# KiCad board scanhead_pcb.kicad_pcb (continued)
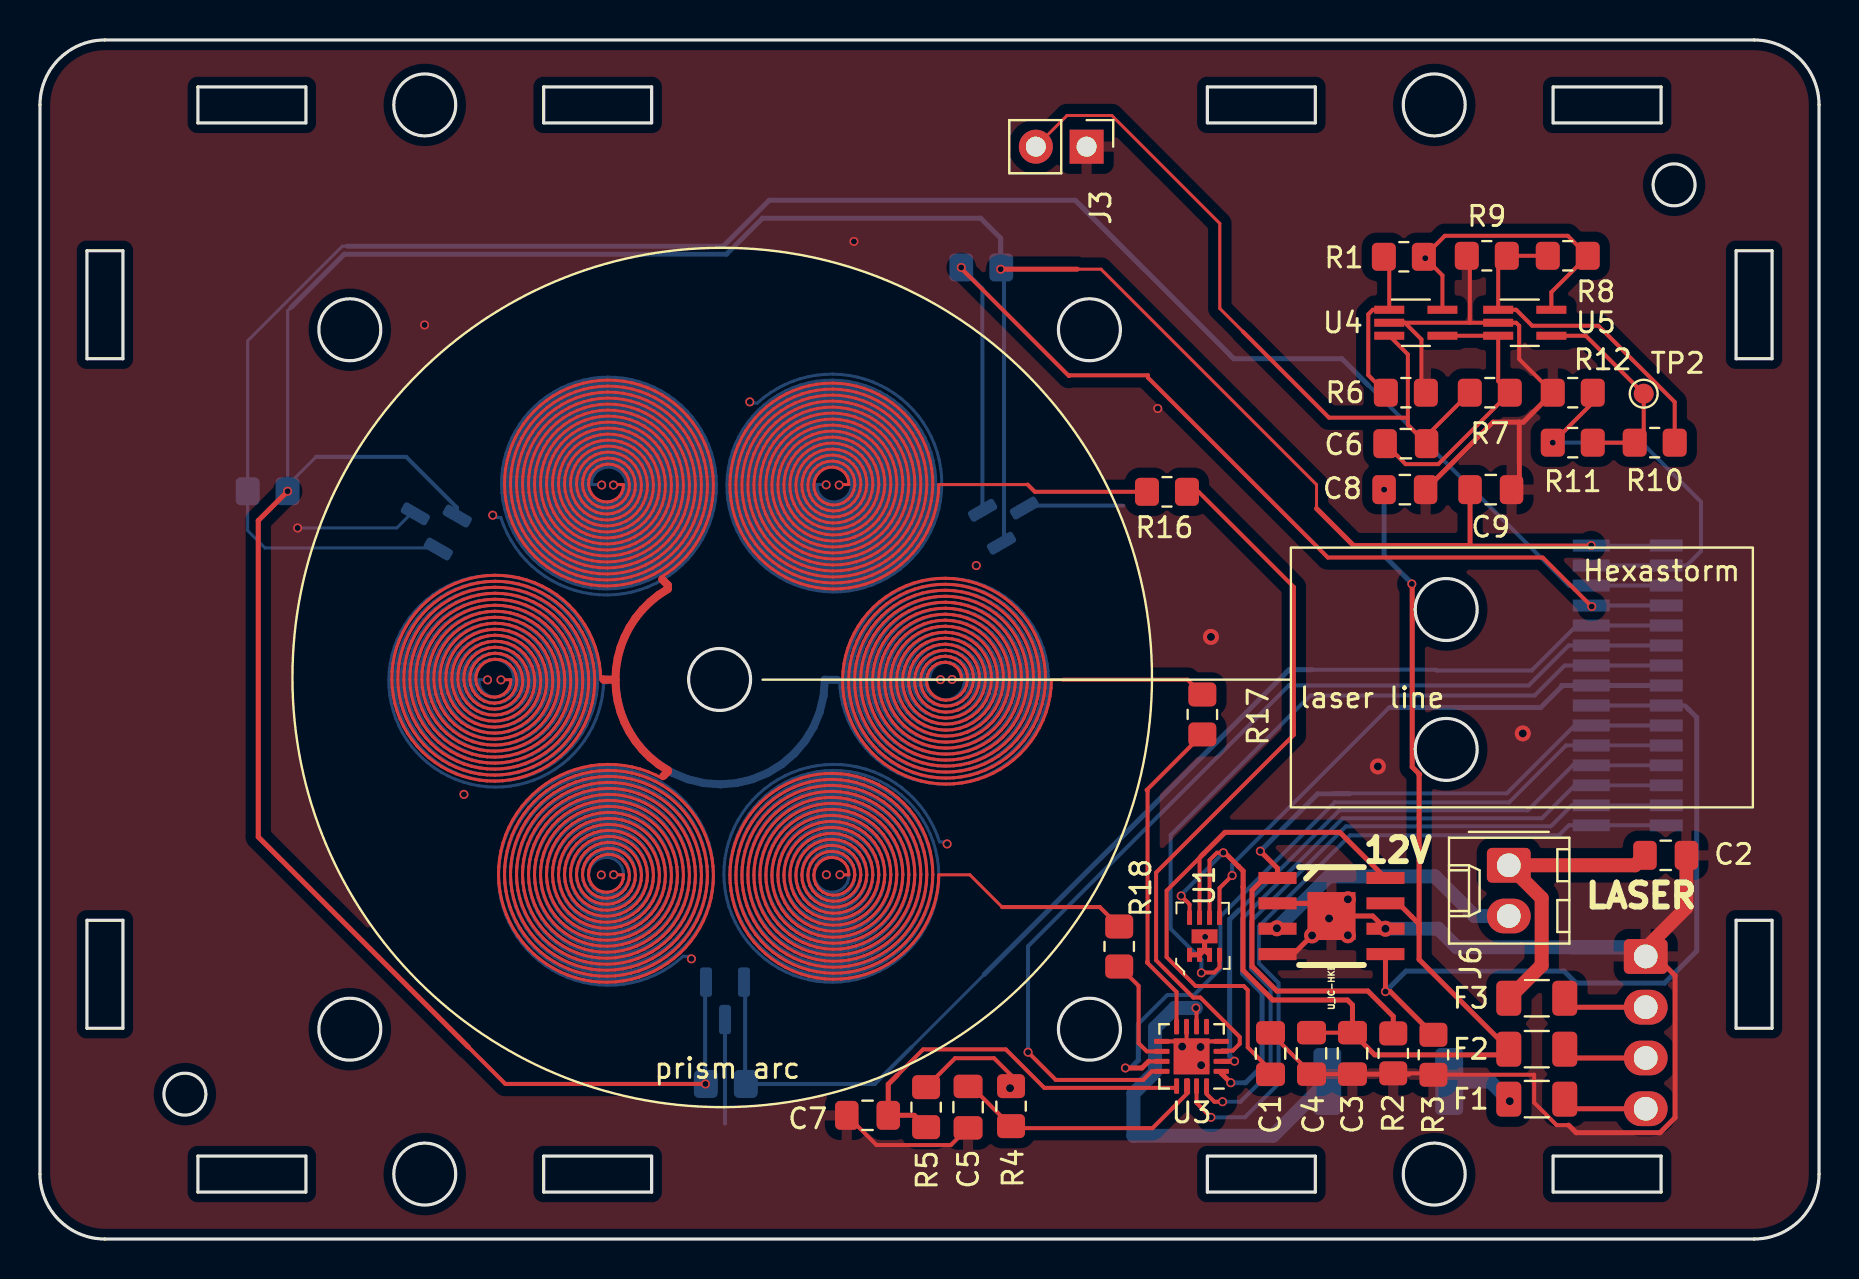
[diagram p0: board, top side]
## Routing (per net, layer and track width the routed paths; a pad name or vN(x,y) marks a point on that pad's centre or on a via; arc(x,y) is an arc through that point) (continued)
28.12,36.75 28.39,36.73 28.65,36.78 28.89,36.89 29.09,37.06 29.23,37.27 29.32,37.5 29.34,37.75 29.3,38 29.19,38.22 29.03,38.4 28.84,38.53 28.62,38.61 28.39,38.63 28.17,38.59 27.96,38.49 27.8,38.35 27.68,38.17 27.6,37.96 27.59,37.75 28.04,37.75 ; 28.2,27.99 28.18,27.58 28.13,27.18 28.05,26.78 27.95,26.39 27.81,26 27.64,25.63 27.45,25.28 27.23,24.94 26.99,24.61 26.72,24.31 26.43,24.02 26.12,23.76 25.8,23.52 25.45,23.31 25.09,23.13 24.72,22.97 24.34,22.84 23.95,22.74 23.55,22.67 23.15,22.63 22.75,22.61 22.35,22.63 21.95,22.68 21.56,22.76 21.17,22.87 20.79,23 20.43,23.17 20.08,23.36 19.74,23.57 19.42,23.81 19.12,24.08 18.84,24.36 18.58,24.66 18.35,24.99 18.14,25.33 17.96,25.68 17.8,26.05 17.67,26.42 17.57,26.81 17.5,27.2 17.46,27.59 17.45,27.99 17.47,28.4 17.52,28.82 17.61,29.22 17.73,29.62 17.87,30.01 18.05,30.39 18.26,30.74 18.49,31.09 18.75,31.41 19.03,31.71 19.34,31.99 19.66,32.24 20.01,32.47 20.37,32.66 20.75,32.83 21.13,32.97 21.53,33.08 21.93,33.16 22.34,33.2 22.75,33.21 23.16,33.19 23.57,33.14 23.97,33.06 24.36,32.94 24.74,32.8 25.11,32.62 25.47,32.42 25.81,32.19 26.12,31.94 26.42,31.66 26.69,31.36 26.94,31.03 27.17,30.69 27.36,30.34 27.53,29.97 27.66,29.59 27.77,29.19 27.85,28.8 27.89,28.39 27.9,27.99 27.88,27.59 27.83,27.18 27.75,26.79 27.64,26.4 27.49,26.03 27.32,25.66 27.12,25.31 26.89,24.98 26.64,24.67 26.37,24.37 26.07,24.1 25.75,23.86 25.42,23.64 25.07,23.45 24.7,23.28 24.32,23.15 23.94,23.04 23.55,22.97 23.15,22.93 22.75,22.91 22.35,22.93 21.96,22.98 21.57,23.07 21.19,23.18 20.82,23.32 20.46,23.49 20.11,23.68 19.79,23.91 19.48,24.16 19.19,24.43 18.92,24.72 18.68,25.03 18.47,25.36 18.28,25.71 18.12,26.07 17.98,26.44 17.88,26.82 17.81,27.21 17.76,27.6 17.75,27.99 17.77,28.4 17.83,28.81 17.92,29.21 18.04,29.61 18.19,29.99 18.38,30.36 18.59,30.71 18.83,31.04 19.1,31.35 19.39,31.64 19.71,31.9 20.04,32.14 20.4,32.34 20.77,32.52 21.15,32.66 21.54,32.78 21.94,32.85 22.34,32.9 22.75,32.91 23.16,32.89 23.56,32.84 23.96,32.75 24.35,32.63 24.72,32.48 25.08,32.3 25.43,32.09 25.76,31.85 26.06,31.59 26.35,31.3 26.6,30.99 26.84,30.66 27.04,30.31 27.21,29.95 27.35,29.57 27.47,29.18 27.54,28.79 27.59,28.39 27.6,27.99 27.58,27.59 27.53,27.19 27.44,26.8 27.32,26.42 27.18,26.05 27,25.69 26.79,25.35 26.55,25.03 26.29,24.73 26.01,24.45 25.7,24.2 25.38,23.97 25.04,23.77 24.68,23.6 24.31,23.46 23.93,23.35 23.54,23.27 23.15,23.23 22.75,23.21 22.36,23.23 21.97,23.29 21.58,23.37 21.21,23.49 20.84,23.63 20.49,23.81 20.16,24.01 19.84,24.25 19.54,24.5 19.27,24.78 19.02,25.08 18.79,25.4 18.6,25.74 18.43,26.09 18.29,26.46 18.18,26.83 18.11,27.21 18.06,27.6 18.05,27.99 18.07,28.4 18.13,28.8 18.22,29.2 18.35,29.59 18.51,29.97 18.7,30.33 18.93,30.67 19.18,30.99 19.46,31.29 19.76,31.56 20.08,31.8 20.43,32.02 20.79,32.2 21.16,32.35 21.55,32.47 21.95,32.55 22.35,32.6 22.75,32.61 23.15,32.59 23.55,32.54 23.95,32.44 24.33,32.32 24.7,32.16 25.05,31.97 25.39,31.75 25.7,31.51 26,31.23 26.26,30.94 26.5,30.62 26.71,30.28 26.89,29.92 27.04,29.55 27.16,29.17 27.24,28.78 27.29,28.39 27.3,27.99 27.28,27.59 27.22,27.2 27.13,26.81 27.01,26.44 26.86,26.08 26.67,25.73 26.46,25.4 26.21,25.09 25.94,24.8 25.65,24.54 25.34,24.3 25,24.09 24.65,23.91 24.29,23.77 23.91,23.65 23.53,23.57 23.14,23.53 22.75,23.51 22.36,23.54 21.98,23.59 21.6,23.68 21.23,23.8 20.87,23.95 20.53,24.14 20.2,24.35 19.9,24.59 19.61,24.85 19.36,25.14 19.12,25.45 18.92,25.78 18.75,26.12 18.6,26.48 18.49,26.85 18.41,27.22 18.36,27.61 18.35,27.99 18.38,28.39 18.44,28.8 18.53,29.19 18.67,29.57 18.83,29.94 19.03,30.29 19.27,30.62 19.53,30.93 19.81,31.21 20.13,31.47 20.46,31.69 20.81,31.88 21.18,32.04 21.56,32.16 21.96,32.25 22.35,32.3 22.75,32.31 23.15,32.29 23.55,32.23 23.93,32.14 24.31,32.01 24.67,31.84 25.01,31.64 25.34,31.42 25.64,31.16 25.92,30.88 26.17,30.57 26.39,30.24 26.58,29.89 26.73,29.53 26.85,29.16 26.94,28.77 26.99,28.38 27,27.99 26.98,27.6 26.92,27.21 26.83,26.83 26.7,26.46 26.54,26.1 26.34,25.77 26.12,25.45 25.87,25.15 25.59,24.88 25.29,24.63 24.96,24.42 24.62,24.23 24.27,24.08 23.9,23.96 23.52,23.88 23.14,23.83 22.75,23.81 22.37,23.84 21.99,23.89 21.61,23.99 21.25,24.11 20.9,24.27 20.57,24.46 20.25,24.68 19.96,24.93 19.7,25.2 19.46,25.5 19.24,25.82 19.06,26.15 18.91,26.5 18.8,26.86 18.71,27.23 18.67,27.61 18.65,27.99 18.68,28.39 18.74,28.79 18.84,29.18 18.98,29.55 19.16,29.91 19.37,30.25 19.61,30.57 19.88,30.86 20.18,31.13 20.5,31.36 20.84,31.56 21.2,31.73 21.58,31.85 21.96,31.95 22.36,32 22.75,32.01 23.15,31.99 23.54,31.93 23.92,31.83 24.29,31.69 24.64,31.52 24.97,31.31 25.28,31.08 25.57,30.81 25.83,30.52 26.06,30.2 26.26,29.86 26.42,29.51 26.55,29.14 26.64,28.76 26.69,28.38 26.7,27.99 26.68,27.6 26.62,27.22 26.52,26.85 26.38,26.48 26.21,26.14 26.01,25.81 25.78,25.5 25.52,25.22 25.23,24.97 24.92,24.74 24.59,24.55 24.24,24.39 23.88,24.27 23.51,24.18 23.13,24.13 22.75,24.11 22.37,24.14 22,24.2 21.63,24.29 21.28,24.43 20.94,24.59 20.61,24.79 20.31,25.02 20.04,25.28 19.79,25.56 19.57,25.86 19.38,26.19 19.22,26.53 19.1,26.88 19.02,27.25 18.97,27.62 18.95,27.99 18.98,28.39 19.04,28.78 19.15,29.16 19.3,29.53 19.48,29.88 19.7,30.21 19.95,30.51 20.24,30.78 20.54,31.03 20.88,31.24 21.23,31.41 21.6,31.55 21.98,31.64 22.36,31.7 22.75,31.71 23.14,31.69 23.52,31.62 23.9,31.52 24.26,31.37 24.6,31.19 24.92,30.98 25.22,30.73 25.49,30.46 25.73,30.15 25.93,29.83 26.1,29.48 26.24,29.12 26.33,28.75 26.39,28.37 26.4,27.99 26.38,27.61 26.31,27.23 26.21,26.87 26.07,26.51 25.89,26.18 25.68,25.86 25.44,25.57 25.17,25.31 24.87,25.07 24.55,24.87 24.21,24.71 23.86,24.58 23.5,24.48 23.13,24.43 22.75,24.41 22.38,24.44 22.01,24.5 21.65,24.6 21.31,24.74 20.98,24.91 20.67,25.12 20.38,25.36 20.12,25.62 19.9,25.91 19.7,26.23 19.54,26.56 19.41,26.9 19.32,27.26 19.27,27.62 19.25,27.99 19.28,28.38 19.35,28.77 19.46,29.14 19.62,29.5 19.81,29.84 20.04,30.15 20.3,30.44 20.6,30.69 20.92,30.91 21.26,31.09 21.62,31.24 21.99,31.34 22.37,31.4 22.75,31.41 23.13,31.39 23.51,31.32 23.88,31.21 24.23,31.06 24.56,30.87 24.87,30.64 25.15,30.38 25.4,30.1 25.61,29.79 25.79,29.45 25.93,29.1 26.03,28.74 26.09,28.37 26.1,27.99 26.08,27.61 26.01,27.25 25.9,26.89 25.75,26.55 25.57,26.22 25.35,25.92 25.09,25.65 24.81,25.4 24.51,25.19 24.18,25.02 23.84,24.88 23.48,24.79 23.12,24.73 22.75,24.71 22.39,24.74 22.03,24.81 21.68,24.91 21.34,25.06 21.02,25.24 20.73,25.45 20.46,25.7 20.22,25.97 20.02,26.27 19.85,26.59 19.72,26.93 19.62,27.27 19.57,27.63 19.55,27.99 19.58,28.37 19.66,28.75 19.78,29.12 19.94,29.47 20.14,29.79 20.38,30.09 20.66,30.35 20.96,30.58 21.29,30.78 21.64,30.93 22,31.03 22.37,31.1 22.75,31.11 23.13,31.09 23.5,31.01 23.85,30.9 24.19,30.74 24.51,30.54 24.8,30.3 25.06,30.03 25.29,29.74 25.47,29.42 25.62,29.08 25.72,28.72 25.79,28.36 25.8,27.99 25.77,27.62 25.7,27.26 25.59,26.91 25.43,26.58 25.24,26.27 25.01,25.99 24.75,25.74 24.46,25.52 24.15,25.33 23.81,25.19 23.47,25.09 23.11,25.03 22.75,25.01 22.39,25.04 22.04,25.11 21.7,25.22 21.38,25.38 21.08,25.56 20.8,25.79 20.56,26.04 20.34,26.33 20.16,26.63 20.02,26.95 19.93,27.29 19.87,27.64 19.85,27.99 19.88,28.37 19.96,28.74 20.09,29.09 20.26,29.43 20.48,29.74 20.73,30.01 21.01,30.26 21.33,30.46 21.66,30.62 22.02,30.73 22.38,30.8 22.75,30.81 23.12,30.78 23.48,30.71 23.83,30.58 24.15,30.41 24.45,30.21 24.72,29.96 24.96,29.68 25.16,29.38 25.31,29.05 25.42,28.7 25.48,28.35 25.5,27.99 25.47,27.63 25.4,27.28 25.28,26.94 25.11,26.63 24.91,26.33 24.67,26.07 24.4,25.84 24.1,25.65 23.78,25.5 23.45,25.39 23.1,25.33 22.75,25.31 22.4,25.34 22.06,25.42 21.74,25.54 21.43,25.69 21.14,25.89 20.89,26.12 20.66,26.39 20.48,26.68 20.33,26.99 20.23,27.31 20.17,27.65 20.15,27.99 20.19,28.36 20.27,28.72 20.41,29.06 20.59,29.38 20.81,29.67 21.08,29.92 21.37,30.14 21.69,30.3 22.04,30.43 22.39,30.5 22.75,30.51 23.11,30.48 23.46,30.4 23.79,30.27 24.1,30.09 24.38,29.87 24.63,29.62 24.84,29.33 25,29.02 25.12,28.68 25.18,28.34 25.2,27.99 25.17,27.64 25.09,27.3 24.96,26.98 24.79,26.68 24.58,26.41 24.33,26.17 24.05,25.97 23.75,25.81 23.42,25.7 23.09,25.63 22.75,25.61 22.41,25.65 22.09,25.72 21.77,25.85 21.48,26.01 21.22,26.22 20.99,26.46 20.79,26.73 20.64,27.03 20.53,27.34 20.47,27.66 20.45,27.99 20.49,28.35 20.58,28.7 20.72,29.02 20.92,29.32 21.15,29.59 21.43,29.81 21.73,29.99 22.06,30.12 22.4,30.19 22.75,30.21 23.1,30.18 23.43,30.09 23.75,29.95 24.04,29.77 24.3,29.54 24.52,29.27 24.69,28.98 24.81,28.66 24.88,28.33 24.9,27.99 24.87,27.65 24.78,27.33 24.65,27.02 24.47,26.74 24.25,26.5 23.99,26.29 23.7,26.12 23.4,26 23.08,25.93 22.75,25.91 22.43,25.95 22.12,26.03 21.82,26.16 21.55,26.33 21.31,26.55 21.11,26.8 20.95,27.07 20.84,27.37 20.77,27.68 20.75,27.99 20.79,28.34 20.89,28.67 21.04,28.98 21.25,29.25 21.49,29.49 21.78,29.68 22.09,29.81 22.42,29.89 22.75,29.91 23.08,29.88 23.4,29.78 23.7,29.63 23.97,29.44 24.19,29.2 24.38,28.93 24.51,28.63 24.58,28.31 24.6,27.99 24.57,27.67 24.47,27.36 24.33,27.08 24.14,26.82 23.91,26.6 23.65,26.43 23.36,26.31 23.06,26.23 22.75,26.21 22.45,26.25 22.15,26.34 21.88,26.47 21.63,26.66 21.42,26.88 21.26,27.13 21.14,27.4 21.07,27.69 21.05,27.99 21.09,28.32 21.2,28.63 21.36,28.92 21.58,29.16 21.83,29.36 22.12,29.51 22.43,29.59 22.75,29.61 23.07,29.57 23.37,29.47 23.64,29.32 23.87,29.11 24.06,28.87 24.2,28.59 24.28,28.29 24.3,27.99 24.26,27.69 24.17,27.4 24.02,27.14 23.82,26.92 23.59,26.74 23.32,26.61 23.04,26.53 22.75,26.51 22.47,26.55 22.19,26.64 21.95,26.79 21.74,26.97 21.56,27.2 21.44,27.45 21.37,27.71 21.35,27.99 21.4,28.3 21.51,28.59 21.68,28.84 21.91,29.05 22.17,29.2 22.45,29.29 22.75,29.31 23.04,29.27 23.32,29.16 23.56,29 23.75,28.79 23.9,28.54 23.98,28.27 24,27.99 23.96,27.71 23.86,27.46 23.7,27.23 23.5,27.05 23.27,26.91 23.02,26.83 22.75,26.81 22.49,26.85 22.25,26.95 22.04,27.1 21.87,27.28 21.74,27.5 21.67,27.74 21.65,27.99 21.7,28.27 21.82,28.53 22,28.74 22.23,28.9 22.48,28.99 22.75,29.01 23.01,28.97 23.25,28.86 23.45,28.69 23.6,28.48 23.68,28.24 23.7,27.99 23.66,27.75 23.55,27.53 23.4,27.34 23.2,27.21 22.98,27.13 22.75,27.11 22.53,27.16 22.33,27.25 22.16,27.4 22.04,27.58 21.97,27.78 21.95,27.99 22.4,27.99 ; 44.95,27.99 44.5,27.99 44.52,28.2 44.59,28.4 44.71,28.58 44.88,28.73 45.08,28.82 45.3,28.86 45.53,28.85 45.75,28.77 45.95,28.63 46.1,28.45 46.21,28.23 46.25,27.99 46.23,27.74 46.15,27.5 46,27.29 45.8,27.12 45.56,27.01 45.3,26.96 45.03,26.99 44.78,27.08 44.55,27.24 44.37,27.45 44.25,27.71 44.2,27.99 44.22,28.24 44.29,28.48 44.42,28.7 44.59,28.88 44.8,29.03 45.04,29.12 45.3,29.16 45.57,29.15 45.82,29.07 46.05,28.93 46.25,28.75 46.41,28.52 46.51,28.27 46.55,27.99 46.53,27.71 46.45,27.44 46.3,27.19 46.11,26.98 45.87,26.81 45.59,26.71 45.3,26.66 45,26.69 44.72,26.78 44.46,26.93 44.23,27.14 44.06,27.39 43.95,27.68 43.9,27.99 43.92,28.26 43.99,28.53 44.11,28.78 44.29,29.01 44.5,29.19 44.74,29.33 45.02,29.43 45.3,29.46 45.59,29.45 45.87,29.37 46.14,29.24 46.37,29.06 46.57,28.83 46.72,28.58 46.81,28.29 46.85,27.99 46.83,27.69 46.75,27.39 46.61,27.11 46.42,26.87 46.19,26.66 45.92,26.51 45.62,26.4 45.3,26.36 44.98,26.39 44.67,26.47 44.38,26.61 44.13,26.81 43.91,27.06 43.75,27.35 43.64,27.66 43.6,27.99 43.62,28.29 43.69,28.58 43.81,28.85 43.97,29.1 44.18,29.32 44.43,29.5 44.7,29.64 45,29.73 45.3,29.76 45.61,29.75 45.91,29.67 46.2,29.55 46.46,29.37 46.69,29.16 46.88,28.9 47.02,28.62 47.12,28.31 47.15,27.99 47.13,27.67 47.06,27.35 46.93,27.05 46.74,26.78 46.52,26.54 46.25,26.34 45.95,26.2 45.63,26.1 45.3,26.06 44.97,26.09 44.64,26.16 44.33,26.3 44.04,26.49 43.8,26.73 43.59,27 43.44,27.31 43.34,27.64 43.3,27.99 43.32,28.3 43.39,28.61 43.5,28.91 43.66,29.18 43.86,29.43 44.1,29.64 44.37,29.82 44.67,29.95 44.98,30.03 45.3,30.06 45.63,30.05 45.95,29.98 46.25,29.86 46.54,29.69 46.8,29.48 47.02,29.24 47.2,28.96 47.33,28.65 47.42,28.32 47.45,27.99 47.43,27.65 47.36,27.32 47.24,27 47.07,26.71 46.85,26.44 46.59,26.21 46.3,26.03 45.98,25.89 45.65,25.8 45.3,25.76 44.95,25.78 44.61,25.86 44.28,25.99 43.98,26.16 43.7,26.39 43.47,26.66 43.27,26.96 43.13,27.28 43.04,27.63 43,27.99 43.02,28.32 43.08,28.64 43.19,28.95 43.34,29.25 43.54,29.52 43.77,29.76 44.03,29.96 44.32,30.13 44.64,30.26 44.96,30.33 45.3,30.36 45.64,30.35 45.97,30.28 46.3,30.17 46.6,30.01 46.88,29.81 47.13,29.57 47.34,29.3 47.51,29 47.64,28.68 47.72,28.34 47.75,27.99 47.73,27.64 47.67,27.3 47.55,26.96 47.39,26.65 47.18,26.36 46.93,26.11 46.65,25.89 46.34,25.71 46.01,25.58 45.66,25.5 45.3,25.46 44.94,25.48 44.59,25.55 44.24,25.67 43.92,25.84 43.63,26.06 43.36,26.31 43.14,26.6 42.96,26.92 42.82,27.26 42.74,27.62 42.7,27.99 42.72,28.33 42.78,28.67 42.88,28.99 43.03,29.3 43.21,29.59 43.44,29.85 43.69,30.09 43.98,30.28 44.29,30.44 44.61,30.56 44.95,30.64 45.3,30.66 45.65,30.65 46,30.59 46.33,30.48 46.65,30.33 46.95,30.14 47.22,29.91 47.46,29.64 47.66,29.35 47.83,29.03 47.95,28.7 48.02,28.35 48.05,27.99 48.03,27.63 47.97,27.27 47.86,26.93 47.71,26.6 47.51,26.3 47.27,26.02 47,25.77 46.7,25.56 46.38,25.4 46.03,25.27 45.67,25.19 45.3,25.16 44.93,25.18 44.57,25.25 44.21,25.36 43.88,25.52 43.56,25.72 43.28,25.97 43.03,26.24 42.81,26.55 42.64,26.89 42.51,27.24 42.43,27.61 42.4,27.99 42.42,28.34 42.48,28.69 42.57,29.02 42.71,29.35 42.89,29.65 43.11,29.94 43.35,30.19 43.63,30.41 43.93,30.6 44.25,30.75 44.59,30.87 44.94,30.94 45.3,30.96 45.66,30.95 46.02,30.89 46.36,30.79 46.7,30.64 47.01,30.46 47.3,30.24 47.56,29.99 47.79,29.71 47.98,29.4 48.14,29.06 48.25,28.72 48.32,28.36 48.35,27.99 48.34,27.62 48.27,27.26 48.17,26.9 48.02,26.56 47.84,26.24 47.61,25.94 47.35,25.68 47.06,25.44 46.74,25.24 46.4,25.08 46.05,24.97 45.68,24.89 45.3,24.86 44.92,24.88 44.55,24.94 44.19,25.05 43.84,25.2 43.51,25.39 43.21,25.62 42.93,25.89 42.69,26.19 42.49,26.51 42.33,26.86 42.21,27.23 42.13,27.6 42.1,27.99 42.12,28.35 42.17,28.7 42.27,29.05 42.4,29.39 42.57,29.71 42.77,30 43.01,30.28 43.28,30.52 43.57,30.74 43.89,30.92 44.23,31.07 44.58,31.17 44.94,31.24 45.3,31.26 45.67,31.25 46.03,31.19 46.39,31.1 46.73,30.96 47.06,30.79 47.36,30.57 47.64,30.33 47.9,30.06 48.12,29.76 48.3,29.43 48.45,29.09 48.56,28.73 48.63,28.36 48.65,27.99 48.64,27.61 48.58,27.24 48.48,26.88 48.34,26.53 48.16,26.19 47.95,25.88 47.7,25.59 47.42,25.34 47.11,25.11 46.78,24.92 46.43,24.77 46.06,24.66 45.68,24.59 45.3,24.56 44.92,24.58 44.54,24.64 44.17,24.74 43.81,24.88 43.47,25.07 43.15,25.29 42.85,25.54 42.59,25.83 42.36,26.14 42.17,26.48 42.01,26.84 41.9,27.21 41.83,27.6 41.8,27.99 41.82,28.36 41.87,28.72 41.96,29.08 42.09,29.42 42.25,29.75 42.45,30.06 42.67,30.35 42.93,30.62 43.22,30.86 43.53,31.06 43.86,31.24 44.2,31.38 44.56,31.48 44.93,31.54 45.3,31.56 45.68,31.55 46.05,31.5 46.41,31.4 46.76,31.27 47.1,31.11 47.42,30.91 47.72,30.67 47.99,30.41 48.23,30.12 48.44,29.8 48.62,29.47 48.76,29.11 48.86,28.75 48.93,28.37 48.95,27.99 48.94,27.61 48.88,27.23 48.79,26.86 48.65,26.5 48.48,26.15 48.28,25.83 48.04,25.52 47.77,25.25 47.47,25 47.15,24.79 46.81,24.6 46.45,24.46 46.07,24.36 45.69,24.29 45.3,24.26 44.91,24.28 44.53,24.34 44.15,24.43 43.78,24.57 43.43,24.74 43.09,24.95 42.79,25.2 42.5,25.47 42.25,25.77 42.03,26.1 41.85,26.45 41.7,26.82 41.59,27.2 41.53,27.59 41.5,27.99 41.52,28.36 41.57,28.73 41.65,29.1 41.77,29.45 41.93,29.79 42.12,30.12 42.34,30.42 42.59,30.7 42.86,30.96 43.16,31.19 43.49,31.39 43.83,31.55 44.18,31.68 44.55,31.78 44.92,31.84 45.3,31.86 45.68,31.85 46.06,31.8 46.43,31.71 46.79,31.59 47.14,31.43 47.47,31.23 47.78,31.01 48.07,30.76 48.33,30.47 48.56,30.17 48.76,29.84 48.93,29.49 49.07,29.13 49.17,28.76 49.23,28.38 49.25,27.99 49.24,27.6 49.19,27.22 49.1,26.84 48.97,26.47 48.81,26.12 48.61,25.78 48.38,25.46 48.12,25.17 47.83,24.9 47.52,24.67 47.19,24.46 46.84,24.29 46.47,24.15 46.09,24.05 45.7,23.99 45.3,23.96 44.91,23.98 44.51,24.03 44.13,24.12 43.75,24.25 43.39,24.42 43.05,24.62 42.73,24.85 42.43,25.12 42.16,25.41 41.92,25.73 41.71,26.07 41.53,26.43 41.39,26.8 41.29,27.19 41.23,27.59 41.2,27.99 41.22,28.37 41.26,28.74 41.35,29.11 41.46,29.48 41.61,29.83 41.79,30.16 42.01,30.48 42.25,30.78 42.51,31.05 42.8,31.3 43.12,31.52 43.45,31.71 43.8,31.87 44.16,31.99 44.54,32.08 44.92,32.14 45.3,32.16 45.69,32.15 46.07,32.1 46.45,32.02 46.82,31.9 47.17,31.75 47.51,31.56 47.84,31.35 48.14,31.1 48.42,30.83 48.67,30.53 48.89,30.21 49.09,29.87 49.25,29.52 49.38,29.15 49.47,28.77 49.53,28.38 49.55,27.99 49.54,27.6 49.49,27.21 49.4,26.82 49.28,26.45 49.13,26.09 48.94,25.74 48.72,25.41 48.47,25.1 48.19,24.82 47.89,24.56 47.56,24.33 47.22,24.14 46.86,23.97 46.48,23.84 46.1,23.75 45.7,23.69 45.3,23.66 44.9,23.68 44.51,23.73 44.11,23.82 43.73,23.94 43.36,24.1 43.01,24.29 42.68,24.51 42.36,24.77 42.08,25.05 41.82,25.36 41.58,25.69 41.38,26.04 41.22,26.41 41.08,26.79 40.99,27.18 40.93,27.58 40.9,27.99 40.91,28.37 40.96,28.75 41.04,29.13 41.15,29.5 41.3,29.86 41.47,30.2 41.67,30.53 41.91,30.84 42.16,31.13 42.45,31.39 42.75,31.63 43.08,31.84 43.42,32.03 43.78,32.18 44.15,32.3 44.53,32.39 44.91,32.44 45.3,32.46 45.69,32.45 46.08,32.4 46.46,32.32 46.84,32.21 47.2,32.06 47.55,31.89 47.89,31.68 48.2,31.44 48.49,31.18 48.76,30.89 49.01,30.58 49.22,30.25 49.41,29.9 49.56,29.54 49.68,29.16 49.77,28.78 49.83,28.39 49.85,27.99 49.84,27.59 49.79,27.2 49.71,26.81 49.59,26.43 49.44,26.06 49.26,25.7 49.05,25.36 48.81,25.04 48.55,24.75 48.25,24.47 47.94,24.22 47.6,24.01 47.25,23.82 46.88,23.66 46.5,23.53 46.1,23.44 45.7,23.39 45.3,23.36 44.9,23.38 44.5,23.43 44.1,23.51 43.71,23.63 43.34,23.78 42.98,23.96 42.63,24.18 42.31,24.42 42.01,24.69 41.73,24.99 41.48,25.31 41.25,25.65 41.06,26.01 40.9,26.39 40.77,26.78 40.68,27.17 40.62,27.58 40.6,27.99 40.61,28.38 40.66,28.76 40.73,29.15 40.84,29.52 40.98,29.89 41.15,30.24 41.34,30.58 41.57,30.9 41.82,31.2 42.09,31.48 42.39,31.73 42.71,31.96 43.04,32.17 43.39,32.34 43.76,32.49 44.13,32.61 44.52,32.69 44.91,32.74 45.3,32.76 45.7,32.75 46.09,32.71 46.48,32.63 46.86,32.52 47.23,32.38 47.59,32.21 47.93,32.01 48.25,31.78 48.56,31.53 48.84,31.25 49.1,30.95 49.34,30.63 49.55,30.29 49.73,29.93 49.87,29.56 49.99,29.18 50.08,28.79 50.13,28.39 50.15,27.99 50.14,27.59 50.09,27.19 50.02,26.8 49.9,26.41 49.76,26.03 49.59,25.67 49.39,25.32 49.15,24.99 48.9,24.68 48.61,24.39 48.31,24.13 47.98,23.89 47.63,23.68 47.27,23.5 46.9,23.35 46.51,23.23 46.11,23.14 45.71,23.09 45.3,23.06 44.89,23.08 44.49,23.12 44.09,23.2 43.7,23.32 43.32,23.46 42.95,23.64 42.59,23.84 42.26,24.08 41.94,24.34 41.65,24.63 41.38,24.94 41.14,25.27 40.93,25.62 40.74,25.99 40.59,26.37 40.47,26.76 40.38,27.17 40.32,27.58 40.3,27.99 40.31,28.38 40.36,28.77 40.43,29.16 40.53,29.54 40.67,29.91 40.83,30.27 41.02,30.62 41.23,30.95 41.47,31.26 41.74,31.55 42.03,31.82 42.34,32.07 42.66,32.29 43.01,32.49 43.37,32.66 43.74,32.8 44.12,32.91 44.51,32.99 44.9,33.04 45.3,33.06 45.7,33.05 46.1,33.01 46.49,32.94 46.87,32.83 47.25,32.7 47.62,32.53 47.97,32.34 48.3,32.12 48.62,31.87 48.92,31.6 49.19,31.31 49.44,31 49.67,30.67 49.87,30.32 50.04,29.95 50.19,29.58 50.3,29.19 50.38,28.79 50.43,28.39 50.45,27.99 50.44,27.58 50.4,27.18 50.32,26.78 50.21,26.39 50.08,26.01 49.91,25.64 49.72,25.28 49.49,24.94 49.24,24.62 48.97,24.32 48.67,24.04 48.36,23.79 48.02,23.56 47.66,23.35 47.29,23.18 46.91,23.03 46.52,22.92 46.12,22.84 45.71,22.78 45.3,22.76 44.89,22.78 44.48,22.82 44.08,22.9 43.68,23.01 43.3,23.14 42.92,23.31 42.56,23.51 42.21,23.74 41.89,23.99 41.58,24.27 41.3,24.57 41.04,24.89 40.81,25.23 40.6,25.59 40.42,25.97 40.28,26.36 40.16,26.75 40.07,27.16 40.02,27.57 40,27.99 ; 32.56,14.05 32.47,14.15 32.17,14.15 31.85,13.88 31.52,13.64 31.16,13.42 30.8,13.23 30.41,13.07 30.02,12.93 29.62,12.83 29.21,12.75 28.8,12.71 28.39,12.7 27.98,12.72 27.57,12.77 27.16,12.85 26.77,12.96 26.38,13.1 26,13.27 25.64,13.46 25.29,13.68 24.96,13.93 24.66,14.2 24.37,14.49 24.1,14.81 23.86,15.14 23.65,15.49 23.46,15.85 23.3,16.23 23.17,16.61 23.07,17.01 22.99,17.41 22.95,17.82 22.94,18.22 22.96,18.63 23.01,19.04 23.09,19.44 23.2,19.83 23.33,20.21 23.5,20.58 23.69,20.94 23.91,21.28 24.15,21.6 24.42,21.91 24.71,22.19 25.02,22.45 25.35,22.69 25.69,22.9 26.05,23.09 26.42,23.24 26.8,23.37 27.19,23.48 27.59,23.55 27.99,23.59 28.39,23.6 28.79,23.58 29.19,23.53 29.58,23.45 29.97,23.35 30.35,23.21 30.71,23.05 31.06,22.86 31.4,22.64 31.72,22.4 32.02,22.14 32.3,21.85 32.56,21.55 32.79,21.23 33,20.89 33.18,20.53 33.34,20.17 33.47,19.79 33.57,19.41 33.64,19.02 33.68,18.62 33.69,18.22 